# KiCad board HPM6E00FULLPORTRevB.kicad_pcb (continued)
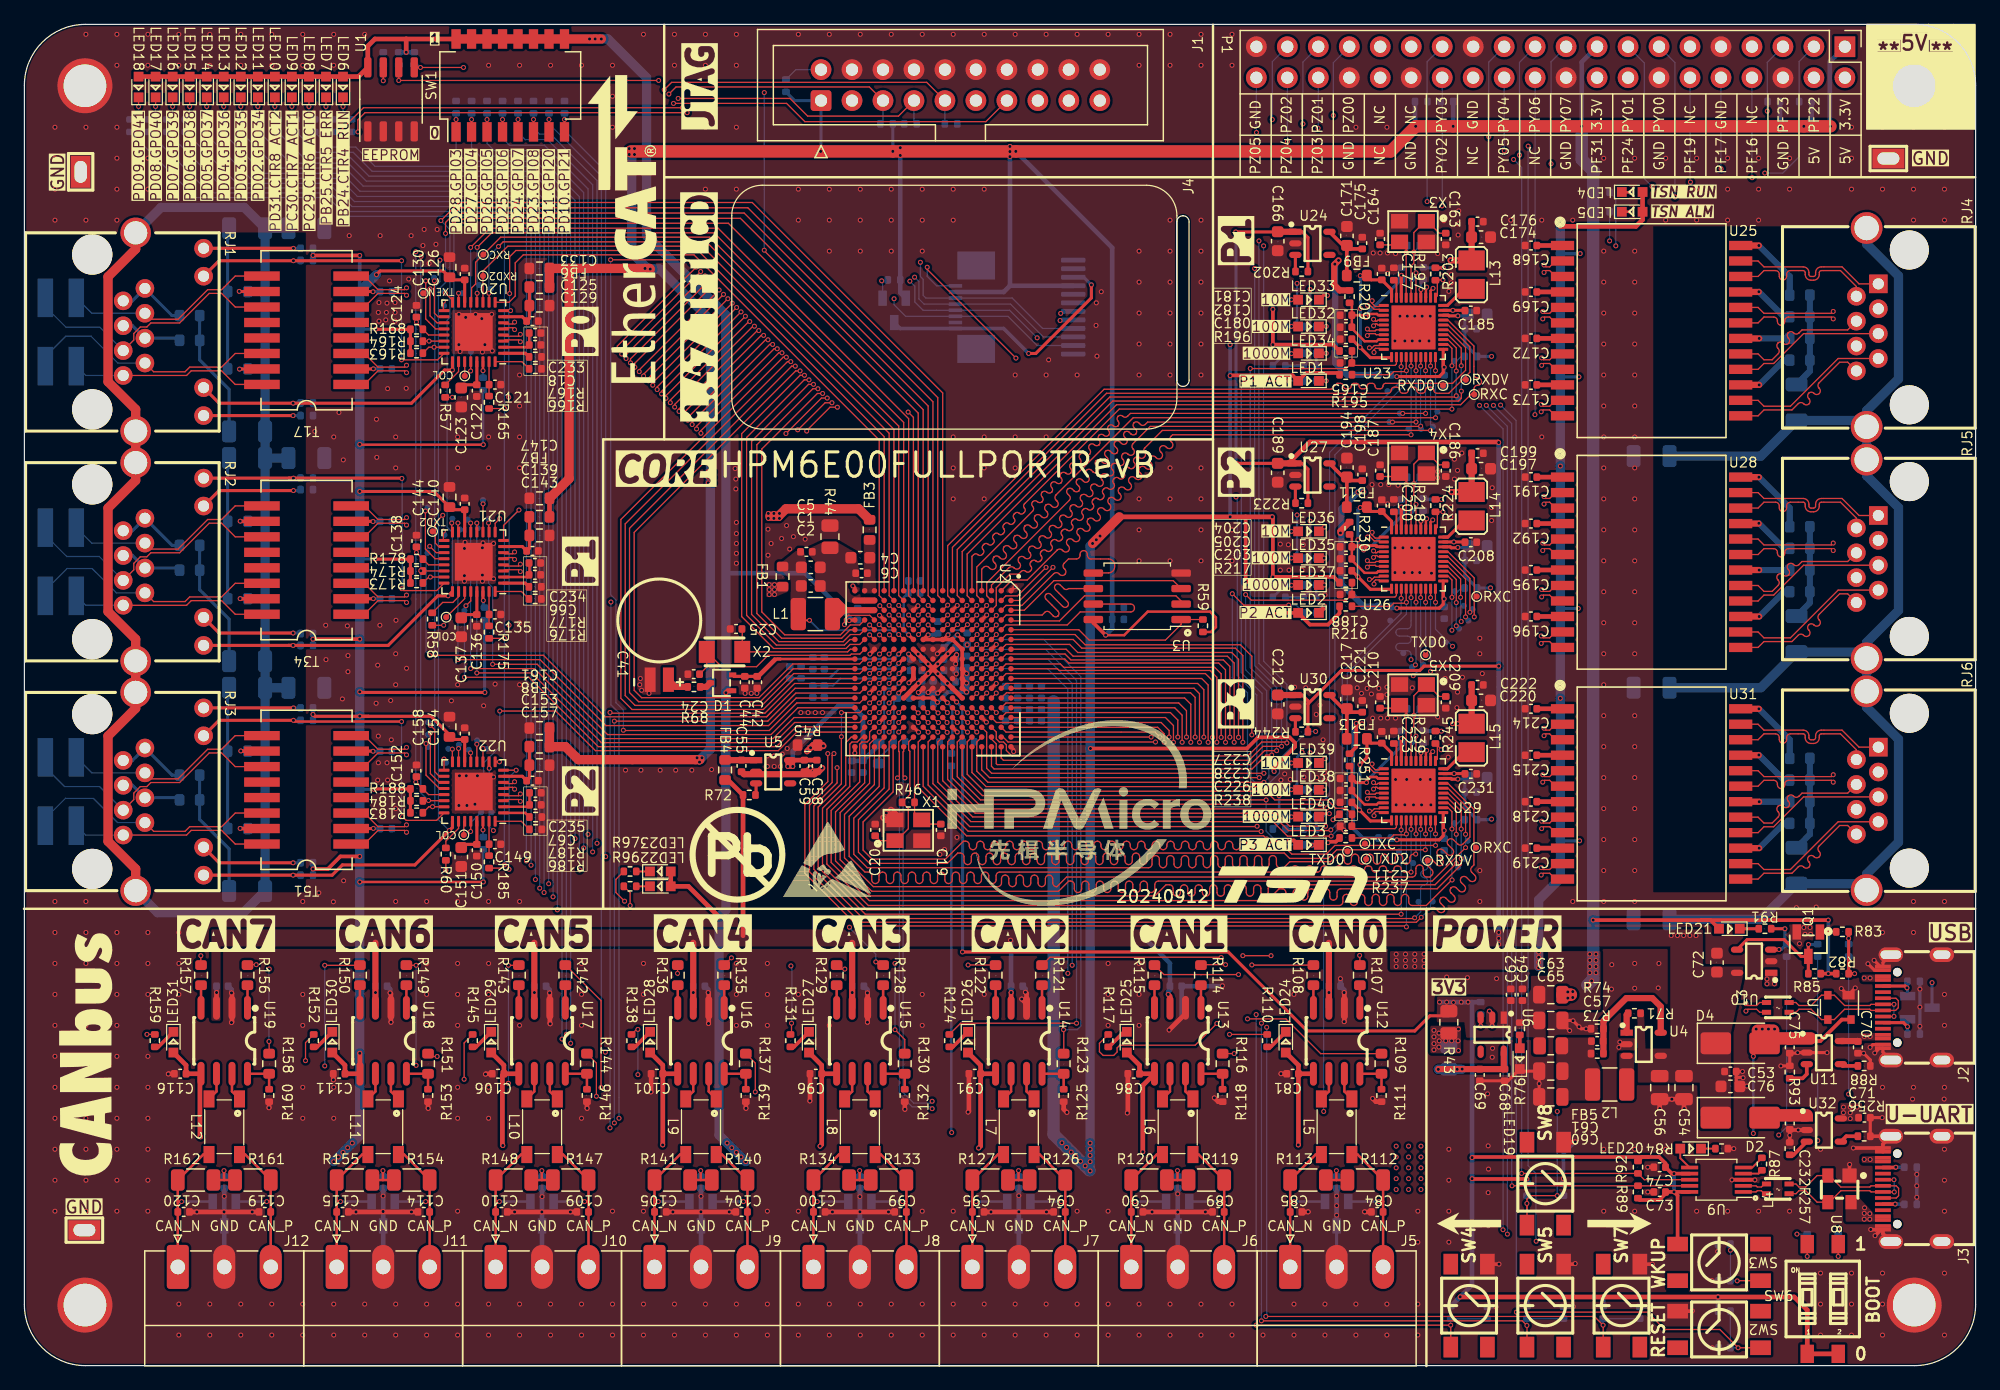
[diagram p0: board, top side]
## Routing (per net, layer and track width the routed paths; a pad name or vN(x,y) marks a point on that pad's centre or on a via; arc(x,y) is an arc through that point) (continued)
/HPM6E00 FULL PORT MAINENTRY/PF18: length 170.7
  Top w0.102: v1(48.02,53.57) 48.08,53.51 60.72,53.51 63.16,55.95 68.49,55.95 U2.T10
  POWER3 w0.102: v1(147.06,18.46) 143.68,18.46 142.64,19.5 v1(48.02,19.5)
  Bottom w0.102: v1(48.02,19.5) v1(48.02,53.57) ; v1(147.06,18.46) 147.05,18.47 R86.2
/HPM6E00 FULL PORT MAINENTRY/PF19: length 140.5
  Top w0.102: U2.T8 68.49,57.55 63.01,57.55 60.24,54.78 50.61,54.78 50,55.39 50,68.34 63.25,81.58 v1(63.6,81.58)
  POWER3 w0.102: v1(136.62,97.07) 92.98,97.07 77.49,81.58 63.61,81.58 v1(63.6,81.58)
  Bottom w0.102: v1(136.62,97.07) 136.58,97.1 P1.12
/HPM6E00 FULL PORT MAINENTRY/PF20: length 165.4
  Top w0.102: v1(48.38,52.86) 48.38,52.86 60.96,52.86 63.26,55.16 68.51,55.16 U2.T11
  POWER3 w0.102: v1(143.86,18.91) 142.86,19.9 v1(48.38,19.9)
  Bottom w0.102: v1(48.38,19.9) v1(48.38,52.86) ; v1(143.86,18.91) 144.51,19.56 R90.2
/HPM6E00 FULL PORT MAINENTRY/PF21: length 183.2
  Top w0.102: U2.N11 v1(70.91,55.16)
  POWER3 w0.102: v1(48.76,20.28) 147.6,20.28 v1(149.59,22.27) ; v1(48.1,62.63) 56.76,53.96 69.51,53.96 69.69,54.14 69.69,54.45 69.71,54.47 69.71,54.47 70,54.75 70.5,54.75 v1(70.91,55.16)
  Bottom w0.102: v1(48.1,62.63) 48.1,54.19 48.76,53.53 v1(48.76,20.28) ; v1(149.59,22.27) R81.1
/HPM6E00 FULL PORT MAINENTRY/PF22: length 153.6
  Top w0.102: v1(62.84,82.34) 62.57,82.34 49.27,69.03 49.27,54.96 50.08,54.14 60.47,54.14 63.08,56.76 68.51,56.76 U2.T9
  POWER3 w0.102: v1(62.84,82.34) 62.86,82.33 77.07,82.33 92.55,97.81 v1(142.71,97.81)
  Bottom w0.102: v1(142.71,97.81) 144.19,97.81 145.53,99.15 145.53,106.96 P1.3
/HPM6E00 FULL PORT MAINENTRY/PF23: length 145.6
  Top w0.102: U2.R8 69.7,57.94 v1(69.31,57.55) ; v1(57.33,87.86) 50.78,81.31 v1(50.78,81.16)
  POWER3 w0.102: v1(142.92,102.89) 89.75,102.89 74.73,87.86 v1(57.33,87.86) ; v1(50.78,81.16) 50.76,81.15 50.76,64.61 57.83,57.55 v1(69.31,57.55)
  Bottom w0.102: P1.5 142.92,106.88 v1(142.92,102.89)
/HPM6E00 FULL PORT MAINENTRY/PF24: length 131.7
  Top w0.102: U2.P9 70.49,57.15 v1(70.09,56.76) ; v1(50.42,81.52) 50.42,81.67 v1(56.97,88.22)
  POWER3 w0.102: v1(70.09,56.76) 69.81,56.76 69.45,57.11 57.67,57.11 50.41,64.38 50.41,81.51 v1(50.42,81.52) ; v1(56.97,88.22) 74.53,88.22 88.36,102.05 88.48,102.05 89.78,103.34 129.21,103.34 P1.16
/HPM6E00 FULL PORT MAINENTRY/PF25: length 68.2
  Top w0.102: v1(49.7,82.24) 49.7,82.56 56.14,89.01 v1(56.17,89.01) ; U2.P10 v1(70.09,55.95)
  POWER3 w0.102: v1(70.09,55.95) 69.69,56.35 57.27,56.35 49.67,63.95 49.67,82.22 v1(49.7,82.24) ; v1(56.17,89.01) 56.18,89.02 70.25,89.02 v1(70.3,88.97)
  Bottom w0.102: R102.1 70.73,88.97 v1(70.3,88.97) 70.37,88.89 Q2.1
/HPM6E00 FULL PORT MAINENTRY/PF26: length 101.7
  Top w0.102: v1(54.71,90.47) 54.49,90.69 v1(48.07,90.69) ; v1(49.11,52.11) 49.14,52.09 61.08,52.09 63.34,54.35 68.49,54.35 U2.T12
  POWER3 w0.102: v1(73.47,90.49) 54.73,90.49 v1(54.71,90.47)
  Bottom w0.102: v1(49.11,52.11) 49.11,52.11 49.11,53.76 48.5,54.37 48.5,62.79 48.07,63.22 v1(48.07,90.69) ; v1(73.47,90.49) 73.47,89.32 73.7,89.09 73.7,87.77 73.92,87.56 81,87.56 83.5,85.06 J4.B9
/HPM6E00 FULL PORT MAINENTRY/PF27: length 94.2
  Top w0.102: v1(70.09,55.16) 70.49,55.55 U2.P11 ; v1(81.31,82.63) 74.03,89.91 v1(74.03,90.08) ; v1(48.62,83.32) 48.62,83.62 v1(55.09,90.09)
  POWER3 w0.102: v1(48.62,83.32) 48.61,83.3 48.61,63.26 57.11,54.75 69.69,54.75 v1(70.09,55.16) ; v1(74.03,90.08) 73.98,90.13 55.13,90.13 v1(55.09,90.09) ; v1(81.31,82.63) 82.46,83.78 83.1,83.78 84.93,85.61 v1(84.93,85.71)
  Bottom w0.102: J4.B8 84.98,85.76 v1(84.93,85.71) ; J4.A8 74.81,88.56 74.03,89.33 v1(74.03,90.08)
/HPM6E00 FULL PORT MAINENTRY/PF28: length 86.1
  Top w0.102: v1(55.82,89.37) 55.79,89.37 49.34,82.92 v1(49.34,82.6) ; U2.R10 69.69,56.35 v1(69.31,55.97)
  POWER3 w0.102: v1(83.05,84.29) 83.05,84.37 v1(84.98,86.3) ; v1(72.61,88.94) 72.18,89.37 55.82,89.37 v1(55.82,89.37) ; v1(69.31,55.97) 57.09,55.97 49.32,63.74 49.32,82.58 v1(49.34,82.6)
  Bottom w0.102: v1(84.98,86.3) 85.14,86.46 J4.B7 ; v1(72.61,88.94) 73.01,88.53 73.01,87.24 73.7,86.56 80.78,86.56 v1(83.05,84.29)
/HPM6E00 FULL PORT MAINENTRY/PF29: length 88.5
  Top w0.102: v1(70.91,55.95) 70.91,55.96 U2.N10 ; v1(48.98,82.96) 48.98,83.25 v1(55.46,89.73)
  POWER3 w0.102: v1(48.98,82.96) 48.96,82.94 48.96,63.49 56.91,55.54 70.5,55.54 v1(70.91,55.95) ; v1(55.46,89.73) 55.46,89.73 72.54,89.73 v1(73,89.27)
  Bottom w0.102: v1(73,89.27) 73.35,88.92 73.35,87.49 73.78,87.06 80.87,87.06 83.56,84.36 J4.B10
/HPM6E00 FULL PORT MAINENTRY/PF30: length 79.4
  Top w0.102: v1(51.17,80.77) 51.17,80.98 v1(57.69,87.5) ; U2.N9 70.91,56.76 v1(70.91,56.73)
  POWER3 w0.102: v1(70.91,56.73) 70.45,57.19 69.94,57.19 69.66,57.47 69.66,57.69 69.43,57.93 58.05,57.93 51.15,64.84 51.15,80.75 v1(51.17,80.77) ; v1(57.69,87.5) v1(71.31,87.5)
  Bottom w0.102: v1(71.31,87.5) 71.31,87.01 72.27,86.06 80.65,86.06 83.04,83.66 J4.B11
/HPM6E00 FULL PORT MAINENTRY/PF31: length 129.6
  Top w0.102: U2.R9 v1(69.31,56.76) ; v1(56.56,88.63) 56.47,88.63 50.06,82.21 v1(50.06,81.88)
  POWER3 w0.102: P1.18 127.56,104.23 90.24,104.23 88.36,102.35 88.13,102.35 74.36,88.59 70.18,88.59 70.1,88.66 56.59,88.66 v1(56.56,88.63) ; v1(69.31,56.76) 57.44,56.76 50.05,64.15 50.05,81.88 v1(50.06,81.88)
/HPM6E00 FULL PORT MAINENTRY/PY0: length 121.8
  Top w0.102: v1(64.34,80.85) 63.95,80.85 59.22,76.12 59.22,61.53 61.66,59.1 67.24,59.1 67.7,59.55 U2.U6
  POWER3 w0.102: v1(64.34,80.85) 64.35,80.84 77.87,80.84 92.88,95.85 v1(135.35,95.85)
  Bottom w0.102: P1.13 135.35,106.86 v1(135.35,95.85)
/HPM6E00 FULL PORT MAINENTRY/PY1: length 121.8
  Top w0.102: U2.T6 68.49,59.15 67.71,59.15 67.38,58.82 61.43,58.82 58.82,61.43 58.82,76.43 63.61,81.22 v1(63.96,81.22)
  POWER3 w0.102: v1(133.47,96.71) 93.18,96.71 77.67,81.2 63.98,81.2 v1(63.96,81.22)
  Bottom w0.102: P1.15 132.83,106.84 132.83,97.35 v1(133.47,96.71)
/HPM6E00 FULL PORT MAINENTRY/PY2: length 97.8
  Top w0.102: v1(65.07,80.12) 64.65,80.12 60.06,75.52 60.06,61.69 62.09,59.65 67.01,59.65 67.71,60.35 U2.U5
  POWER3 w0.102: v1(116.25,95.11) 93.28,95.11 78.3,80.13 65.08,80.13 v1(65.07,80.12)
  Bottom w0.102: P1.28 116.26,95.13 v1(116.25,95.11)
/HPM6E00 FULL PORT MAINENTRY/PY3: length 101.6
  Top w0.102: v1(64.71,80.48) 64.3,80.48 59.63,75.81 59.63,61.61 61.86,59.38 67.15,59.38 67.73,59.96 68.51,59.96 U2.T5
  POWER3 w0.102: v1(64.71,80.48) 64.71,80.48 78.09,80.48 93.1,95.48 115.01,95.48 v1(115.03,95.47)
  Bottom w0.102: v1(115.03,95.47) 115.03,106.93 P1.27
/HPM6E00 FULL PORT MAINENTRY/PY4: length 115.6
  Top w0.102: v1(59.86,85.25) 59.74,85.25 53.32,78.83 v1(53.32,78.62) ; v1(69.31,59.93) 69.69,59.55 U2.R6
  POWER3 w0.102: v1(59.86,85.25) 59.87,85.26 75.55,85.26 91.07,100.78 v1(120.08,100.78) ; v1(53.32,78.62) 53.3,78.6 53.3,66.08 59.45,59.93 v1(69.31,59.93)
  Bottom w0.102: P1.23 120.08,106.91 v1(120.08,100.78)
/HPM6E00 FULL PORT MAINENTRY/PY5: length 110.9
  Top w0.102: U2.R5 v1(69.31,60.75) ; v1(60.98,84.13) 60.78,84.13 54.4,77.75 v1(54.4,77.54)
  POWER3 w0.102: v1(69.31,60.75) 68.52,61.53 59.68,61.53 54.4,66.82 54.4,77.54 v1(54.4,77.54) ; v1(121.35,99.63) 91.66,99.63 76.16,84.14 60.98,84.14 v1(60.98,84.13)
  Bottom w0.102: P1.24 121.34,99.64 v1(121.35,99.63)
/HPM6E00 FULL PORT MAINENTRY/PY6: length 115.1
  Top w0.102: v1(70.09,60.77) 70.5,60.37 U2.P5 ; v1(54.76,77.18) 54.76,77.4 61.12,83.75 v1(61.36,83.75)
  POWER3 w0.102: v1(54.76,77.18) 54.75,77.17 54.75,67.15 60.01,61.89 68.77,61.89 69.89,60.77 v1(70.09,60.77) ; v1(61.36,83.75) 61.39,83.78 76.37,83.78 91.86,99.28 v1(122.6,99.28)
  Bottom w0.102: v1(122.6,99.28) 122.6,106.88 P1.21
/HPM6E00 FULL PORT MAINENTRY/PY7: length 117
  Top w0.102: U2.N5 v1(70.91,60.75) ; v1(55.48,76.46) 55.48,76.68 61.86,83.06 v1(62.12,83.06)
  POWER3 w0.102: v1(62.12,83.06) 62.12,83.06 76.74,83.06 92.24,98.57 v1(125.19,98.57) ; v1(70.91,60.75) 70.68,60.98 70.68,61.23 70.5,61.41 70.5,61.71 70.25,61.97 69.94,61.97 69.31,62.6 60.72,62.6 55.46,67.86 55.46,76.45 v1(55.48,76.46)
  Bottom w0.102: P1.19 125.19,106.93 v1(125.19,98.57)
/HPM6E00 FULL PORT MAINENTRY/PZ0: length 109.6
  Top w0.102: v1(51.53,80.41) 51.53,80.62 v1(58.05,87.14) ; U2.P8 v1(70.09,57.55)
  POWER3 w0.102: v1(51.53,80.41) 51.5,80.38 51.5,65.06 58.28,58.28 68.54,58.28 68.98,58.71 69.48,58.71 69.74,58.46 69.74,58.16 70.09,57.8 v1(70.09,57.55) ; v1(107.33,102.53) 107.31,102.55 89.88,102.55 74.47,87.14 v1(58.05,87.14)
  Bottom w0.102: P1.33 107.33,106.86 v1(107.33,102.53)
/HPM6E00 FULL PORT MAINENTRY/PZ1: length 106
  Top w0.102: v1(58.76,86.42) 52.25,79.91 v1(52.25,79.69) ; v1(70.91,57.55) 71.3,57.94 U2.N8
  POWER3 w0.102: v1(70.91,57.55) 70.53,57.93 70.53,58.46 69.86,59.12 68.49,59.12 68.34,58.97 58.64,58.97 52.21,65.39 52.21,79.66 v1(52.25,79.69) ; v1(58.76,86.42) 74.92,86.42 90.34,101.84 v1(104.84,101.84)
  Bottom w0.102: v1(104.84,101.84) 104.84,106.91 P1.35
/HPM6E00 FULL PORT MAINENTRY/PZ2: length 103
  Top w0.102: U2.P7 70.5,58.74 v1(70.12,58.36) ; v1(51.89,80.05) 51.89,80.26 v1(58.4,86.78)
  POWER3 w0.102: v1(51.89,80.05) 51.88,80.05 51.88,65.24 58.51,58.61 68.42,58.61 68.72,58.92 69.61,58.92 70.12,58.41 v1(70.12,58.36) ; v1(58.4,86.78) 74.69,86.78 90.11,102.2 102.32,102.2 v1(102.33,102.2)
  Bottom w0.102: v1(102.33,102.2) 102.33,106.93 P1.37
/HPM6E00 FULL PORT MAINENTRY/PZ3: length 102.8
  Top w0.102: U2.N7 v1(70.91,58.36) ; v1(52.6,79.33) 52.6,79.55 v1(59.12,86.06)
  POWER3 w0.102: v1(106.09,101.49) 106.09,101.49 90.58,101.49 75.16,86.06 v1(59.12,86.06) ; v1(70.91,58.36) 70.91,58.66 70.25,59.32 69.43,59.32 ; v1(52.6,79.33) 52.59,79.32 52.59,65.6 58.87,59.32 69.51,59.32
  Bottom w0.102: v1(106.09,101.49) 106.1,101.5 P1.36
/HPM6E00 FULL PORT MAINENTRY/PZ4: length 96
  Top w0.102: U2.P6 v1(70.12,59.93) ; v1(60.22,84.89) 60.1,84.89 53.68,78.47 v1(53.68,78.26)
  POWER3 w0.102: v1(70.12,59.93) 69.71,60.34 59.63,60.34 53.66,66.31 53.66,78.24 v1(53.68,78.26) ; v1(103.57,100.4) 91.26,100.4 75.77,84.9 60.24,84.9 v1(60.22,84.89)
  Bottom w0.102: v1(103.57,100.4) 103.56,100.41 P1.38
/HPM6E00 FULL PORT MAINENTRY/PZ5: length 96.3
  Top w0.102: v1(70.93,59.93) 71.3,59.57 U2.N6 ; v1(59.48,85.63) 59.41,85.63 52.96,79.19 v1(52.96,78.97)
  POWER3 w0.102: v1(59.48,85.63) 59.51,85.66 75.35,85.66 90.82,101.13 v1(101.03,101.13) ; v1(52.96,78.97) 52.95,78.96 52.95,65.85 59.22,59.58 70.58,59.58 v1(70.93,59.93)
  Bottom w0.102: P1.40 101.02,101.14 v1(101.03,101.13)
/HPM6E00 FULL PORT MAINENTRY/USB0_N: length 103.3
  Top w0.102: U2.M17 72.1,50.38 72.05,50.33 72.05,48.35 v1(72.2,48.2) ; v1(141.17,29.69) 141.32,29.53 142.05,29.53 142.29,29.78 L3.3
  POWER3 w0.102: v1(141.17,29.69) 141.02,29.53 140.29,29.53 132.29,21.53 74.59,21.53 v1(74.44,21.68)
  Bottom w0.102: v1(72.2,48.2) 72.05,48.05 72.05,22.4 72.93,21.53 74.28,21.53 v1(74.44,21.68)
/HPM6E00 FULL PORT MAINENTRY/USB0_P: length 104.8
  Top w0.102: L3.2 142.29,28.98 142.05,29.23 141.32,29.23 v1(141.17,29.08) ; v1(71.59,48.2) 71.74,48.35 71.74,50.33 71.69,50.38 71.69,51.15 U2.M16
  POWER3 w0.102: v1(74.44,21.07) 74.59,21.22 132.41,21.22 140.42,29.23 141.02,29.23 v1(141.17,29.08)
  Bottom w0.102: v1(74.44,21.07) 74.28,21.22 72.8,21.22 71.74,22.28 71.74,48.05 v1(71.59,48.2)
DCDC_GND: length 1.6
  Top w0.508: U2.R2 U2.U2
DCDC_LP: length 5
  Top w0.508: 66.73,61.48 67.22,61.97 67.38,61.97 ; U2.R3 66.58,61.95 ; 67.38,61.97 66.63,62.71 ; 67.38,61.97 67.38,61.95
DCDC_SNS: length 9.5
  Top w0.102: U2.M6 v1(71.69,59.96)
  Top w0.152: L1.1 63.97,61.13 v1(64.38,61.13)
  Bottom w0.152: v1(64.38,61.13) 65.19,60.31 71.34,60.31 v1(71.69,59.96)
VANA: length 6.6
  Top w0.254: v1(71.69,55.16) 72.09,55.55 U2.M11
  Bottom w0.152: C7.1 71.29,54.42 71.29,51.19 C3.1 71.27,51 70.04,49.77 FB2.1
Net-(C41-Pad1): length 1.8
  Top w0.508: R68.1 53.4,55.67 C41.1
Net-(C83-Pad1): length 3
  Top w0.203: 107.58,15.22 R112.1 ; 107.58,15.22 v1(107.58,15.99) ; 107.58,15.22 R113.2
  Bottom w0.203: v1(107.58,15.99) 107.6,15.97 C83.1
Net-(C88-Pad1): length 3
  Top w0.203: v1(94.55,15.99) 94.55,15.22 ; 94.55,15.22 R120.2 ; 94.55,15.22 R119.1
  Bottom w0.203: C88.1 94.57,15.97 v1(94.55,15.99)
Net-(C93-Pad1): length 3
  Top w0.203: R127.2 81.52,15.22 ; 81.52,15.22 R126.1 ; 81.52,15.22 v1(81.52,15.99)
  Bottom w0.203: v1(81.52,15.99) 81.54,15.97 C93.1
Net-(C98-Pad1): length 3
  Top w0.203: R134.2 68.49,15.22 ; 68.49,15.22 R133.1 ; 68.49,15.22 v1(68.49,15.99)
  Bottom w0.203: v1(68.49,15.99) 68.51,15.97 C98.1
Net-(C103-Pad1): length 3
  Top w0.203: R141.2 55.46,15.22 ; 55.46,15.22 R140.1 ; 55.46,15.22 v1(55.46,15.99)
  Bottom w0.203: v1(55.46,15.99) 55.48,15.97 C103.1
Net-(C108-Pad1): length 3
  Top w0.203: 42.43,15.22 R147.1 ; 42.43,15.22 v1(42.43,15.99) ; 42.43,15.22 R148.2
  Bottom w0.203: v1(42.43,15.99) 42.45,15.97 C108.1
Net-(C113-Pad1): length 3
  Top w0.203: R155.2 29.4,15.22 ; 29.4,15.22 R154.1 ; 29.4,15.22 v1(29.4,15.99)
  Bottom w0.203: C113.1 29.42,15.97 v1(29.4,15.99)
Net-(C118-Pad1): length 3
  Top w0.203: 16.37,15.22 R161.1 ; 16.37,15.22 v1(16.37,15.99) ; 16.37,15.22 R162.2
  Bottom w0.203: v1(16.37,15.99) 16.39,15.97 C118.1
Net-(C127-Pad2): length 2.4
  Top w0.254: T17.2 28.6,81.74 v1(28.62,81.75)
  Bottom w0.254: C127.2 29.16,81.75 v1(28.62,81.75)
Net-(C128-Pad1): length 2.4
  Top w0.254: T17.7 28.58,88.09 v1(28.59,88.08)
  Bottom w0.254: C128.1 29.16,88.08 v1(28.59,88.08)
Net-(C131-Pad1): length 11.6
  Bottom w0.254: R170.1 16.67,93.17 C131.1
Net-(C132-Pad1): length 10.5
  Bottom w0.254: C132.1 16.79,80.07 14.37,82.48 R172.1
Net-(C141-Pad2): length 2.4
  Top w0.254: T34.2 28.6,62.89 v1(28.62,62.9)
  Bottom w0.254: v1(28.62,62.9) 29.16,62.9 C141.2
Net-(C142-Pad1): length 2.4
  Top w0.254: T34.7 28.58,69.24 v1(28.59,69.23)
  Bottom w0.254: v1(28.59,69.23) 29.16,69.23 C142.1
Net-(C145-Pad1): length 11.6
  Bottom w0.254: C145.1 16.67,74.32 R180.1
Net-(C146-Pad1): length 10.5
  Bottom w0.254: R182.1 14.37,63.63 16.79,61.22 C146.1
Net-(C155-Pad2): length 2.4
  Top w0.254: v1(28.62,44.06) 28.6,44.05 T51.2
  Bottom w0.254: v1(28.62,44.06) 29.16,44.06 C155.2
Net-(C156-Pad1): length 2.4
  Top w0.254: T51.7 28.58,50.4 v1(28.59,50.38)
  Bottom w0.254: v1(28.59,50.38) 29.16,50.38 C156.1
Net-(C159-Pad1): length 11.6
  Bottom w0.254: R190.1 16.67,55.48 C159.1
Net-(C160-Pad1): length 10.5
  Bottom w0.254: R192.1 14.37,44.79 16.79,42.38 C160.1
Net-(C183-Pad1): length 7.8
  Bottom w0.508: C183.1 146.41,81.56 R213.1
Net-(C206-Pad1): length 7.8
  Bottom w0.508: C206.1 146.41,62.57 R234.1
Net-(C229-Pad1): length 7.8
  Bottom w0.508: C229.1 146.41,43.57 R255.1
Net-(D1-Pad3): length 1
  Top w0.508: R68.2 55.93,55.67 D1.3
Net-(D2-A): length 3.4
  Top w1.016: 146.16,20.53 142.76,20.53
Net-(D3-K): length 13.4
  Top w0.254: R83.2 v1(149.59,35.04) R82.1 149.59,32.15 v1(150.08,32.15)
  POWER3 w0.254: v1(156.43,31.41) 153.15,31.41 152.11,32.45 150.38,32.45 v1(150.08,32.15)
  Bottom w0.254: D3.3 v1(156.43,31.41) ; R81.2 149.59,35.04 v1(149.59,35.04)
Net-(J1-VCC/NC): length 3.2
  Bottom w0.102: R51.1 63.26,106.29 J1.2
Net-(J2-CC1): length 3.4
  Top w0.254: J2.A5 154.08,28.13 v1(154.41,27.8)
  Bottom w0.254: D3.1 154.41,28.39 v1(154.41,27.8) R79.2
Net-(J2-CC2): length 3.3
  Top w0.254: J2.B5 154.22,31.13 v1(154.37,30.98)
  Bottom w0.254: R77.2 154.41,30.32 D3.2
Net-(J3-CC1): length 1.8
  Top w0.3: v1(153.41,13.25) 153.4,13.25 J3.A5
  Bottom w0.3: v1(153.41,13.25) 154.13,13.25 R80.2
Net-(J3-CC2): length 1.8
  Top w0.3: J3.B5 153.43,16.25 v1(153.46,16.27)
  Bottom w0.3: R78.2 154.15,16.27 v1(153.46,16.27)
Net-(LED1-K): length 1.4
  Top w0.203: v1(106.75,80.76) LED1.1
  Bottom w0.203: R13.2 v1(106.75,80.76)
Net-(LED2-K): length 1.6
  Top w0.381: LED2.1 106.59,62.18 v1(106.59,62.3)
  Bottom w0.381: R14.2 106.03,61.74 v1(106.59,62.3)
Net-(LED3-K): length 0.9
  Top w0.3: v1(105.58,42.69) 106.12,42.69 LED3.1
  Bottom w0.3: R15.2 105.6,42.71 v1(105.58,42.69)
Net-(LED4-K): length 1.4
  Top w0.203: LED4.1 131.01,96.23 v1(131.71,96.23)
  Bottom w0.203: R16.2 v1(131.71,96.23)
Net-(LED5-K): length 1.4
  Top w0.203: v1(131.71,94.63) LED5.1
  Bottom w0.203: R17.2 v1(131.71,94.63)
Net-(LED6-K): length 2.1
  Top w0.102: LED6.1 v1(26.13,103.27)
  Bottom w0.102: v1(26.13,103.27) 26.13,102.9 R26.2
Net-(LED7-K): length 2.1
  Top w0.102: LED7.1 v1(24.73,103.27)
  Bottom w0.102: R27.2 24.73,102.78 v1(24.73,103.27)
Net-(LED8-K): length 2
  Top w0.102: LED8.1 v1(23.33,103.27)
  Bottom w0.102: v1(23.33,103.27) 23.33,102.67 R28.2
Net-(LED9-K): length 2
  Top w0.102: LED9.1 v1(21.94,103.27)
  Bottom w0.102: R29.2 21.94,102.55 v1(21.94,103.27)
Net-(LED10-K): length 1.9
  Top w0.102: LED10.1 v1(20.54,103.27)
  Bottom w0.102: R30.2 20.54,102.43 v1(20.54,103.27)
Net-(LED11-K): length 1.9
  Top w0.102: LED11.1 v1(19.14,103.27)
  Bottom w0.102: R31.2 19.14,102.32 v1(19.14,103.27)
Net-(LED12-K): length 1.8
  Top w0.102: LED12.1 v1(17.74,103.27)
  Bottom w0.102: R32.2 v1(17.74,103.27)
Net-(LED13-K): length 1.9
  Top w0.102: LED13.1 v1(16.35,103.27)
  Bottom w0.102: v1(16.35,103.27) 16.35,102.32 R33.2
Net-(LED14-K): length 1.9
  Top w0.102: LED14.1 v1(14.95,103.27)
  Bottom w0.102: R34.2 14.95,102.43 v1(14.95,103.27)
Net-(LED15-K): length 2
  Top w0.102: LED15.1 v1(13.55,103.27)
  Bottom w0.102: R35.2 13.55,102.55 v1(13.55,103.27)
Net-(LED16-K): length 2
  Top w0.102: LED16.1 v1(12.16,103.27)
  Bottom w0.102: v1(12.16,103.27) 12.16,102.67 R36.2
Net-(LED17-K): length 2.1
  Top w0.102: LED17.1 v1(10.76,103.27)
  Bottom w0.102: R37.2 10.76,102.78 v1(10.76,103.27)
Net-(LED18-K): length 2.1
  Top w0.102: LED18.1 v1(9.36,103.27)
  Bottom w0.102: v1(9.36,103.27) 9.36,102.9 R38.2
Net-(LED19-A): length 1.1
  Top w0.3: R76.1 LED19.2
Net-(LED20-A): length 1.9
  Top w0.152: U9.6 135.78,17.01 LED20.2
Net-(LED20-K): length 1.2
  Top w0.152: R84.2 LED20.1
Net-(LED21-K): length 1.6
  Top w0.254: LED21.1 R91.2
Net-(LED22-K): length 1.1
  Top w0.152: R96.2 LED22.1
Net-(LED23-K): length 1.1
  Top w0.152: R97.2 LED23.1
Net-(LED24-K): length 2
  Top w0.3: R110.2 102.2,26.14 LED24.1
Net-(LED25-K): length 2
  Top w0.3: R117.2 88.93,26.14 90.17,27.38 LED25.1
Net-(LED26-K): length 2
  Top w0.3: LED26.1 76.14,26.14 R124.2
Net-(LED27-K): length 2
  Top w0.3: R131.2 63.11,26.14 LED27.1
Net-(LED28-K): length 2
  Top w0.3: LED28.1 50.07,26.14 R138.2
Net-(LED29-K): length 2
  Top w0.3: R145.2 37.04,26.14 LED29.1
Net-(LED30-K): length 2
  Top w0.3: R152.2 24.01,26.14 LED30.1
Net-(LED31-K): length 2
  Top w0.3: R159.2 10.98,26.14 LED31.1
Net-(LED32-K): length 1.4
  Top w0.203: LED32.1 106.16,85.23 v1(106.75,85.23)
  Bottom w0.203: v1(106.75,85.23) 106.73,85.22 R205.1
Net-(LED33-A): length 1.1
  Top w0.203: LED33.2 103.9,87.42 v1(103.9,87.42)
  Bottom w0.203: v1(103.9,87.42) 103.4,87.42 R204.1
Net-(LED34-A): length 2.5
  Top w0.203: LED34.2 103.92,83.02 v1(103.9,83)
  Bottom w0.203: R198.2 103.39,83.02 R199.2 103.42,83 v1(103.9,83)
Net-(LED34-K): length 2.4
  Top w0.203: v1(106.75,83.02) 106.15,83.02 LED34.1
  Bottom w0.203: R207.1 R206.1 106.74,83.03 v1(106.75,83.02)
Net-(LED35-K): length 1.1
  Top w0.203: v1(106.59,66.22) LED35.1
  Bottom w0.203: v1(106.59,66.22) R226.1
Net-(LED36-A): length 1.1
  Top w0.203: v1(103.9,68.42) 103.9,68.42 LED36.2
  Bottom w0.203: v1(103.9,68.42) 103.4,68.42 R225.1
Net-(LED37-A): length 2.5
  Top w0.203: LED37.2 103.92,64.02 v1(103.9,64)
  Bottom w0.203: v1(103.9,64) 103.42,64 R220.2 103.39,64.02 R219.2
Net-(LED37-K): length 2.2
  Top w0.203: LED37.1 106.16,64.03 v1(106.62,64.03)
  Bottom w0.203: v1(106.62,64.03) R227.1 R228.1
Net-(LED38-K): length 1.1
  Top w0.203: v1(106.59,47.22) LED38.1
  Bottom w0.203: v1(106.59,47.22) R247.1
Net-(LED39-A): length 1.1
  Top w0.203: LED39.2 103.9,49.42 v1(103.9,49.42)
  Bottom w0.203: v1(103.9,49.42) 103.4,49.42 R246.1
Net-(LED40-A): length 2.5
  Top w0.203: LED40.2 103.92,45.02 v1(103.9,45)
  Bottom w0.203: R240.2 103.39,45.02 R241.2 103.42,45 v1(103.9,45)
Net-(LED40-K): length 3.1
  Top w0.203: v1(107,45.27) 106.4,45.27 LED40.1
  Bottom w0.203: v1(107,45.27) 106.74,45.27 106.5,45.03 R248.1 R249.1
Net-(Q1-D): length 9.9
  Top w0.254: Q1.3 146.28,34.52 v1(146.29,34.53) ; Q1.3 145.68,33.56 144.3,34.94 141.27,34.94 U10.4 ; Q1.3 146.28,33.56 R85.1
  Bottom w0.254: R86.1 147.02,34.53 v1(146.29,34.53)
Net-(Q1-G): length 1.3
  Top w0.254: R83.1 148.55,35.56 Q1.1
Net-(Q2-D): length 21.9
  Top w0.254: v1(82.35,83.01) 82.93,83.01 87.49,87.57 v1(87.49,88.64)
  Bottom w0.254: J4.B3 86.87,89.26 v1(87.49,88.64)
  Bottom w0.3: Q2.3 71.81,85.06 80.3,85.06 v1(82.35,83.01)
Net-(R169-Pad2): length 2.6
  Top w0.254: T17.10 17.63,88.09 v1(17.62,88.1)
  Bottom w0.254: v1(17.62,88.1) 18.31,88.1 R169.2
Net-(R170-Pad2): length 2.5
  Top w0.254: T17.15 17.66,81.74 v1(17.64,81.73)
  Bottom w0.254: v1(17.64,81.73) 18.31,81.73 R170.2
Net-(R171-Pad2): length 5.1
  Bottom w0.254: R171.2 12.55,84.27 RJ1.4 8.86,85.29 RJ1.5
Net-(R172-Pad2): length 6
  Bottom w0.254: RJ1.7 8.86,87.33 RJ1.8 12.11,86.12 R172.2
Net-(R179-Pad2): length 2.4
  Top w0.3: v1(17.69,69.26) 17.71,69.24 T34.10
  Bottom w0.3: R179.2 18.31,69.26 v1(17.69,69.26)
Net-(R180-Pad2): length 2.4
  Top w0.3: T34.15 17.71,62.89 v1(17.69,62.91)
  Bottom w0.3: R180.2 18.31,62.91 v1(17.69,62.91)
Net-(R181-Pad2): length 5.1
  Bottom w0.254: R181.2 12.55,65.42 RJ2.4 8.86,66.44 RJ2.5
Net-(R182-Pad2): length 6
  Bottom w0.254: R182.2 12.11,67.27 RJ2.8 8.86,68.48 RJ2.7
Net-(R189-Pad2): length 2.3
  Top w0.3: v1(17.74,50.41) 17.76,50.4 T51.10
  Bottom w0.3: v1(17.74,50.41) 18.31,50.41 R189.2
Net-(R190-Pad2): length 2.4
  Top w0.3: v1(17.69,44.06) 17.7,44.05 T51.15
  Bottom w0.3: R190.2 18.31,44.06 v1(17.69,44.06)
Net-(R191-Pad2): length 5.1
  Bottom w0.254: R191.2 12.55,46.57 RJ3.4 8.86,47.59 RJ3.5
Net-(R192-Pad2): length 6
  Bottom w0.254: RJ3.7 8.86,49.63 RJ3.8 12.11,48.43 R192.2
Net-(SW6-PIN3): length 1.8
  Top w0.102: SW6.3 148.73,9.96 v1(148.73,8.96)
  Bottom w0.102: v1(148.73,8.96) 148.73,8.96 R99.1
Net-(SW6-PIN4): length 1.8
  Top w0.102: v1(146.19,8.96) 146.19,9.96 SW6.4
  Bottom w0.102: R98.1 146.19,8.96 v1(146.19,8.96)
Net-(U1-WP): length 2.4
  Top w0.102: v1(29.43,105.37) U1.7
  Bottom w0.102: R40.1 v1(29.43,105.37)
Net-(U2C-USB0_VBUS): length 4.9
  Top w0.254: U2.H12 v1(75.68,54.37)
  Bottom w0.203: v1(75.68,54.37) 76.09,53.96 76.09,50.28 R49.2
Net-(U2C-XTALI): length 8
  Top w0.102: C19.1 73.93,44.41 X1.3 72.99,45.35 R46.2 72.99,46.19 72.99,50.66 U2.L17
Net-(U2C-XTALO): length 11.5
  Top w0.102: U2.L16 72.51,51.16 72.51,50.49 72.61,50.38 72.61,46.83 R46.1 72.48,45.68 72.48,44.03 71.51,43.06 X1.1 70.16,43.06 C20.1
Net-(U2P-VDD_OTPCAP): length 10
  Top w0.254: v1(71.69,57.6) 72.05,57.95 U2.M8
  Bottom w0.152: 66.51,56.86 66.79,57.14 70.5,57.14
  Bottom w0.203: 66.51,56.86 66.03,56.38 C50.1 ; 70.5,57.14 71.24,57.14 v1(71.69,57.6)
Net-(U2P-VDD_PHY0CAP): length 7.8
  Top w0.254: 72.09,58.75 v1(71.69,58.36)
  Bottom w0.203: C48.1 64.78,57.95 71.29,57.95 v1(71.69,58.36)
Net-(U2P-VDD_PHY1CAP): length 5.3
  Top w0.254: U2.L6 72.89,59.55 v1(72.51,59.93)
  Bottom w0.203: C46.1 C45.1 72.1,62.99 72.1,60.34 v1(72.51,59.93)
Net-(U2P-VDD_PMCCAP): length 8
  Top w0.254: v1(71.72,56.76) 72.1,57.14 U2.M9
  Bottom w0.152: v1(71.72,56.76) 71.31,56.35 66.89,56.35 66.31,55.77 C51.1
Net-(U4-EN): length 1.6
  Top w0.508: U4.1 131.39,28.77 R71.2
Net-(U4-FB): length 10.6
  Top w0.508: U4.5 134.18,29.45 133.49,30.14 131.36,30.14 129.48,28.26 R74.2 R73.1
Net-(U5-EN): length 1
  Top w0.254: U5.3 60,46.85 R72.2
Net-(U5-IN): length 2.6
  Top w0.508: FB4.1 57.48,49.65 U5.1
Net-(U6-EN): length 1.6
  Top w0.203: v1(119.42,27.85) 119.41,27.86 U6.3
  Bottom w0.203: R75.2 119.42,28.78 v1(119.42,27.85)
Net-(U9-~{CTS}): length 1.9
  Top w0.152: U9.5 141.68,16.25 R87.2
Net-(U9-~{RTS}): length 1.6
  Top w0.152: U9.4 142.2,15.75 R87.1
Net-(U10-FLG): length 3.9
  Top w0.254: v1(143.88,34.13) 143.87,34.11 U10.3 ; v1(144.36,35.83) 144.36,35.83 R91.1
  Bottom w0.254: v1(144.36,35.83) 144.36,34.71 R90.1 144.07,34.13 v1(143.88,34.13)
Net-(U11-EN): length 1.5
  Top w0.3: U11.4 149.09,24.58 R88.2
Net-(U11-IADJ): length 2.4
  Top w0.3: R93.2 145.81,23.56 146.16,23.91 U11.3
Net-(U11-IN): length 1.4
  Top w0.508: U11.5 150.31,26.62 C70.1
  vias: v1(150.87,31.79) v1(150.87,26.99) v1(151.35,31.79) v1(151.35,26.99)
Net-(U12-CANH): length 2.3
  Top w0.203: U12.7 108.24,22.48 L5.1
Net-(U12-CANL): length 2.3
  Top w0.203: U12.6 106.97,22.48 L5.2
Net-(U12-RXD): length 1.9
  Top w0.203: U12.4 R108.2
Net-(U12-STB): length 3
  Top w0.203: U12.8 R109.2 R111.2
Net-(U12-TXD): length 1.9
  Top w0.203: U12.1 R107.2
Net-(U13-CANH): length 2.3
  Top w0.203: U13.7 95.21,22.48 L6.1
Net-(U13-CANL): length 2.3
  Top w0.203: L6.2 93.94,22.48 U13.6
Net-(U13-RXD): length 1.9
  Top w0.203: U13.4 R115.2
Net-(U13-STB): length 3
  Top w0.203: U13.8 R116.2 R118.2
Net-(U13-TXD): length 1.9
  Top w0.203: U13.1 R114.2
Net-(U14-CANH): length 2.3
  Top w0.203: L7.1 82.18,22.48 U14.7
Net-(U14-CANL): length 2.3
  Top w0.203: L7.2 80.91,22.48 U14.6
Net-(U14-RXD): length 1.9
  Top w0.203: U14.4 R122.2
Net-(U14-STB): length 3
  Top w0.203: U14.8 R123.2 R125.2
Net-(U14-TXD): length 1.9
  Top w0.203: U14.1 R121.2
Net-(U15-CANH): length 2.3
  Top w0.203: L8.1 69.15,22.48 U15.7
Net-(U15-CANL): length 2.3
  Top w0.203: L8.2 67.88,22.48 U15.6
Net-(U15-RXD): length 1.9
  Top w0.203: U15.4 R129.2
Net-(U15-STB): length 3
  Top w0.203: U15.8 R130.2 R132.2
Net-(U15-TXD): length 1.9
  Top w0.203: U15.1 R128.2
Net-(U16-CANH): length 2.3
  Top w0.203: U16.7 56.12,22.48 L9.1
Net-(U16-CANL): length 2.3
  Top w0.203: U16.6 54.85,22.48 L9.2
Net-(U16-RXD): length 1.9
  Top w0.203: U16.4 R136.2
Net-(U16-STB): length 3
  Top w0.203: U16.8 R137.2 R139.2
Net-(U16-TXD): length 1.9
  Top w0.203: U16.1 R135.2
Net-(U17-CANH): length 2.3
  Top w0.203: L10.1 43.09,22.48 U17.7
Net-(U17-CANL): length 2.3
  Top w0.203: L10.2 41.82,22.48 U17.6
Net-(U17-RXD): length 1.9
  Top w0.203: U17.4 R143.2
Net-(U17-STB): length 3
  Top w0.203: R146.2 R144.2 U17.8
Net-(U17-TXD): length 1.9
  Top w0.203: U17.1 R142.2
Net-(U18-CANH): length 2.3
  Top w0.203: U18.7 30.05,22.48 L11.1
Net-(U18-CANL): length 2.3
  Top w0.203: U18.6 28.78,22.48 L11.2
Net-(U18-RXD): length 1.9
  Top w0.203: U18.4 R150.2
Net-(U18-STB): length 3
  Top w0.203: U18.8 R151.2 R153.2
Net-(U18-TXD): length 1.9
  Top w0.203: U18.1 R149.2
Net-(U19-CANH): length 2.3
  Top w0.203: U19.7 17.02,22.48 L12.1
Net-(U19-CANL): length 2.3
  Top w0.203: L12.2 15.75,22.48 U19.6
Net-(U19-RXD): length 1.9
  Top w0.203: U19.4 R157.2
Net-(U19-STB): length 3
  Top w0.203: R160.2 R158.2 U19.8
Net-(U19-TXD): length 1.9
  Top w0.203: U19.1 R156.2
Net-(U20-COL): length 1.2
  Top w0.102: U20.27 36.11,82.33 COL.1
Net-(U20-CRS_DV): length 2.4
  Top w0.102: R57.1 35.6,81.53 U20.26
Net-(U20-DVDD1V2): length 3.3
  Top w0.254: C123.2 36.09,80.44 C122.2 37.1,80.45 U20.29
Net-(U20-EN_DLDO): length 1.3
  Top w0.203: v1(37.61,81.6) 37.6,81.6 U20.30
  Bottom w0.203: v1(37.61,81.6) R47.2
Net-(U20-RBIAS): length 2.2
  Top w0.254: U20.1 41.09,83.02 R167.2
Net-(U20-REFCLK_SEL): length 3.2
  Top w0.203: C233.1 C18.2 41.21,83.52 U20.2
Net-(U20-XI): length 2.8
  Top w0.102: U20.31 R165.1
Net-(U20-XO): length 3
  Top w0.102: U20.32 40.8,82.34 R166.2
Net-(U21-COL): length 2.7
  Top w0.102: U21.27 36.1,62.9 COL#3.1
Net-(U21-CRS_DV): length 3.1
  Top w0.102: R58.1 34.3,62.59 35.14,62.59 35.6,63.06 U21.26
Net-(U21-DVDD1V2): length 3.3
  Top w0.254: U21.29 37.1,61.6 C136.2 36.09,61.59 C137.2
Net-(U21-EN_DLDO): length 1.4
  Top w0.254: U21.30 37.6,62.78 v1(37.63,62.75)
  Bottom w0.254: v1(37.63,62.75) 37.63,62.27 R52.2
Net-(U21-RBIAS): length 2.2
  Top w0.254: R177.2 41.07,64.18 U21.1
Net-(U21-REFCLK_SEL): length 3.2
  Top w0.203: 41.42,65.83 41.42,64.85 41.24,64.68 U21.2
Net-(U21-XI): length 2.8
  Top w0.102: U21.31 R175.1
Net-(U21-XO): length 3
  Top w0.102: U21.32 40.76,63.49 R176.2
Net-(U22-COL): length 1.1
  Top w0.102: COL#2.1 36.03,44.57 U22.27
Net-(U22-CRS_DV): length 2.6
  Top w0.102: R60.1 34.56,43.02 35.6,44.06 U22.26
Net-(U22-DVDD1V2): length 3.3
  Top w0.254: C151.2 36.09,42.75 C150.2 37.1,42.76 U22.29
Net-(U22-EN_DLDO): length 1.3
  Top w0.152: v1(37.61,43.93) 37.6,43.94 U22.30
  Bottom w0.152: v1(37.61,43.93) 37.61,43.37 R56.2
Net-(U22-RBIAS): length 2.3
  Top w0.203: U22.1 41.07,45.33 R187.2
Net-(U22-REFCLK_SEL): length 3.2
  Top w0.203: C235.1 C67.2 41.26,45.83 U22.2
Net-(U22-XI): length 2.8
  Top w0.102: U22.31 R185.1
Net-(U22-XO): length 3.1
  Top w0.102: R186.2 40.75,44.64 U22.32
Net-(U23-CLKOUT): length 2.7
  Top w0.102: v1(114.11,89.63) 114.11,89.62 U23.35
  Bottom w0.102: v1(114.11,89.63) 114.11,89.42 COUT#2.1
Net-(U23-RBIAS): length 1.5
  Top w0.152: R197.2 112.51,88.81 U23.39
Net-(U23-XI): length 9.6
  Top w0.102: C163.1 116.02,92.88 115.04,93.86 X3.1 114.86,93.86 113.93,92.93 v1(113.93,91.33) 113.93,90.41 113.71,90.19 U23.36
  Bottom w0.102: R193.1 114.42,91.81 v1(113.93,91.33)
Net-(U23-XO): length 7.1
  Top w0.102: U23.37 v1(113.31,91.3) 113.31,91.61 X3.3 112.52,91.92 C164.1
  Bottom w0.102: v1(113.31,91.3) 113.4,91.39 R193.2
Net-(U24-EN): length 1.4
  Top w0.254: U24.3 104.22,89.74 R202.2
Net-(U24-OUT): length 5.3
  Top w0.3: C171.1 108.13,91.87 U24.5 ; C175.1 108.58,91.58 108.44,91.45 FB9.2
Net-(U25-MCT1): length 6.6
  Top w0.508: U25.24 142.23,91.87
  Bottom w0.508: v1(142.23,91.86) 144.76,89.33 R213.2
Net-(U25-MCT2): length 4.9
  Top w0.508: U25.21 142.21,88.06
  Bottom w0.508: R212.2 144.29,86.02 v1(142.23,88.08)
Net-(U25-MCT3): length 4
  Top w0.508: U25.18 142.25,84.25
  Bottom w0.508: v1(142.26,84.24) R211.2
Net-(U25-MCT4): length 4.9
  Top w0.508: U25.15 142.25,80.44
  Bottom w0.508: v1(142.26,80.43) 144.29,82.46 R210.2
Net-(U25-TCT1): length 2.1
  Top w0.381: C168.1 U25.1
Net-(U25-TCT2): length 2.1
  Top w0.381: C169.1 U25.4
Net-(U25-TCT4): length 2.1
  Top w0.381: C173.1 U25.10
Net-(U25-TDT3): length 2.1
  Top w0.381: C172.1 U25.7
Net-(U26-CLKOUT): length 2.7
  Top w0.102: v1(114.11,70.63) 114.11,70.63 U26.35
  Bottom w0.102: v1(114.11,70.63) 114.11,70.43 COUT#3.1
Net-(U26-RBIAS): length 1.5
  Top w0.152: R218.2 112.51,69.81 U26.39
Net-(U26-XI): length 9.6
  Top w0.102: C186.1 116.02,73.88 115.04,74.86 X4.1 114.86,74.86 113.93,73.93 v1(113.93,72.33) 113.93,71.42 113.71,71.19 U26.36
  Bottom w0.102: v1(113.93,72.33) 114.42,72.82 R214.1
Net-(U26-XO): length 7.1
  Top w0.102: C187.1 112.52,72.92 X4.3 113.31,72.62 v1(113.31,72.31) U26.37
  Bottom w0.102: R214.2 113.4,72.4 v1(113.31,72.31)
Net-(U27-EN): length 1.4
  Top w0.254: U27.3 104.22,70.74 R223.2
Net-(U27-OUT): length 5.3
  Top w0.3: C198.1 108.58,72.59 108.44,72.45 FB11.2 ; U27.5 108.13,72.88 C194.1
Net-(U28-MCT1): length 6.6
  Top w0.508: U28.24 142.23,72.87
  Bottom w0.508: v1(142.23,72.87) 144.76,70.34 R234.2
Net-(U28-MCT2): length 4.9
  Top w0.508: U28.21 142.21,69.06
  Bottom w0.508: v1(142.23,69.08) 144.29,67.02 R233.2
Net-(U28-MCT3): length 4
  Top w0.508: U28.18 142.25,65.25
  Bottom w0.508: v1(142.26,65.25) R232.2
Net-(U28-MCT4): length 4.9
  Top w0.508: U28.15 142.25,61.44
  Bottom w0.508: v1(142.26,61.44) 144.29,63.47 R231.2
Net-(U28-TCT1): length 2.1
  Top w0.381: C191.1 U28.1
Net-(U28-TCT2): length 2.1
  Top w0.381: C192.1 U28.4
Net-(U28-TCT4): length 2.1
  Top w0.381: C196.1 U28.10
Net-(U28-TDT3): length 2.1
  Top w0.381: C195.1 U28.7
Net-(U29-CLKOUT): length 2.7
  Top w0.102: U29.35 114.11,51.63 v1(114.11,51.63)
  Bottom w0.102: COUT.1 114.11,51.43 v1(114.11,51.63)
Net-(U29-RBIAS): length 1.5
  Top w0.152: U29.39 112.51,50.81 R239.2
Net-(U29-XI): length 9.6
  Top w0.102: C209.1 116.02,54.88 115.04,55.86 X5.1 114.86,55.86 113.93,54.93 v1(113.93,53.33) 113.93,52.42 113.71,52.19 U29.36
  Bottom w0.102: v1(113.93,53.33) 114.42,53.82 R235.1
Net-(U29-XO): length 7.1
  Top w0.102: C210.1 112.52,53.92 X5.3 113.31,53.62 v1(113.31,53.31) U29.37
  Bottom w0.102: R235.2 113.4,53.4 v1(113.31,53.31)
Net-(U30-EN): length 1.1
  Top w0.254: R244.2 104.22,51.99 U30.3
Net-(U30-OUT): length 5.3
  Top w0.3: C221.1 108.58,53.59 108.44,53.45 FB13.2 ; C217.1 108.13,53.88 U30.5
Net-(U31-MCT1): length 6.6
  Top w0.508: U31.24 142.23,53.87
  Bottom w0.508: v1(142.23,53.87) 144.76,51.34 R255.2
Net-(U31-MCT2): length 4.9
  Top w0.508: U31.21 142.21,50.06
  Bottom w0.508: v1(142.23,50.08) 144.29,48.02 R254.2
Net-(U31-MCT3): length 4
  Top w0.508: U31.18 142.25,46.25
  Bottom w0.508: v1(142.26,46.25) R253.2
Net-(U31-MCT4): length 4.9
  Top w0.508: U31.15 142.25,42.44
  Bottom w0.508: R252.2 144.29,44.47 v1(142.26,42.44)
Net-(U31-TCT1): length 2.1
  Top w0.381: C214.1 U31.1
Net-(U31-TCT2): length 2.1
  Top w0.381: C215.1 U31.4
Net-(U31-TCT4): length 2.1
  Top w0.381: C219.1 U31.10
Net-(U31-TDT3): length 2.1
  Top w0.381: C218.1 U31.7
Net-(U32-EN): length 1.6
  Top w0.3: R256.2 149.39,18.81 U32.4
Net-(U32-IADJ): length 1.8
  Top w0.3: U32.3 145.07,17.29 R257.2

## Copper pours and planes (outline as drawn; the poured copper is in the pictures)
+3.3V on Top: 124.76,25.53 124.71,31.15 123.71,31.15 123.15,30.22 121.57,30.22 115.84,30.27 115.81,28.16 118.07,28.16 118.23,26.89 123.74,26.93 123.74,25.53
+3.3V on Top: 123.54,30.7 123.54,31.97 124.93,31.97 124.93,34 129.25,34 129.25,29.17 124.68,29.17
+5V on Top: 139.95,19.44 139.95,27.33 140.93,31.97 140.93,32.73 137.63,32.73 137.63,35.78 15.33,35.78 15.33,28.29 16.09,28.29 16.09,34.38 134.97,34.38 134.97,26 132.93,26 132.8,29.22 132.26,29.22 132.3,26 132.3,23.21 137.38,23.21 137.45,19.44
+5V on POWER3: 157.42,107.41 157.42,102.5 147.67,102.5 147.69,42.38 139.79,34.46 134.58,34.46 134.58,36.62 137.4,36.62 143.17,42.38 143.17,102.33 146.4,106.59
/HPM6E00 FULL PORT MAINENTRY/10-USB-BOOT-KEY-LED/VBUS_DEBUG on Top: 153.05,17.2 153.05,16.6 150.66,16.6 150.66,17.19
/HPM6E00 FULL PORT MAINENTRY/10-USB-BOOT-KEY-LED/VBUS_DEBUG on Top: 153.05,11.8 151.75,11.8 149.34,11.8 149.33,12.82 149.33,13.99 150.24,13.99 151.75,12.4 153.05,12.4
/HPM6E00 FULL PORT MAINENTRY/10-USB-BOOT-KEY-LED/VBUS_DEBUG on Top, Bottom: 150.68,20.03 148.91,20.03 148.91,21.55 150.69,21.55
/HPM6E00 FULL PORT MAINENTRY/10-USB-BOOT-KEY-LED/VBUS_DEBUG on Bottom: 151.96,11.8 150.66,11.8 150.66,21.55 151.96,21.55
GND on Top, Bottom, GND2, POWER3: -0.04,-0.04 159.96,-0.04 159.96,109.96 -0.04,109.96
GNDA on Bottom: 72.86,56.35 72.86,51.02 71.08,48 63.64,48 63.64,50.28 64.73,51.37 67.3,51.37 67.3,48.94 69.08,48.93 70.52,48.98 71.75,51.17 72.28,52.14 72.28,56.35
VBUS on Top: 143.74,32.47 143.75,31.1 142.69,31.1 142.73,32.47
VBUS on Bottom: 142.73,32.47 143.74,32.47 143.95,26.43 141.45,26.43
VCC on Top: 115.28,27.88 117.8,27.85 117.8,25.59 115.28,25.62
VCC on Top: 111.98,34 124.55,34 124.55,32.48 111.98,32.48
VCC on Bottom: 111.98,34 115.28,34 115.28,28.16 118.07,28.16 118.07,25.62 115.28,25.62 115.28,14.19 111.98,14.19
VCC on Bottom: 84.88,54.99 84.88,53.5 74.92,53.53 74.87,54.4 75.71,55.23 77.26,55.23
VCC on POWER3: 115.28,14.19 23.59,14.19 23.59,18.51 115.28,18.51
VDD_SOC on Top: 62.64,64.28 62.64,63.48 61.53,63.03 60.82,63.03 60.82,64.28
VDD_SOC on Bottom: 75.69,55.76 75.68,59.63 73.7,59.63 73.32,59.96 63.77,59.96 62.63,64.28 60.54,64.28 60.54,58.51 68.75,58.51 69.33,58.36 73.29,58.36 73.31,55.96
DCDC_GND on Top: 64.35,67.02 65.55,67.58 66.59,67.58 68.21,66.64 68.44,65.19 68.57,63.01 68.06,62.5 67.48,62.65 66.94,63.19 66.64,63.46 64.84,63.46 64.84,65.95 64.35,66.46
DCDC_IN on Top: 68.82,68.11 69.79,68.11 69.79,64.66 69.92,63.34 68.67,63.34 68.82,64.66
DCDC_SNS on Top: 64.07,61.66 64.15,63.72 64.15,65.78 63.92,66.82 63.26,66.82 62.14,65.93 62.14,65.14 62.83,64.43 62.83,61.66
Net-(C57-Pad1) on Top: 129.23,21.73 129.23,24.37 128.74,25.29 128.74,26.91 125.62,26.91 125.62,21.73
Net-(U4-LX) on Top: 130.77,25.64 131.99,25.64 131.99,21.88 130.77,21.88
Net-(U11-IN) on Top: 153.05,32.08 153.05,31.48 150.66,31.49 150.66,32.07
Net-(U11-IN) on Top: 153.05,26.68 148.47,26.62 148.48,27.27 153.05,27.28
Net-(U11-IN) on Bottom: 151.96,26.69 150.66,26.69 150.66,32.07 151.96,32.07

## Text on the board
B.Silkscreen: TX- | TX+ | RX+ | RX- | ** | 5V
F.Silkscreen: CAN_N | GND | CAN_P | EEPROM | P1 ACT | P2 ACT | P3 ACT | 1000M | 100M | 10M | PZ05 | PZ02 | PZ04 | PZ01 | PZ03 | PZ00 | NC | PY03 | PY02 | PY04 | PY05 | PY06 | PY07 | 3.3V | PF31 | PY01 | PF24 | PY00 | PF19 | PF17 | PF16 | PF23 | PF22 | 5V | PD09.GPO41 | PD08.GPO40 | PD07.GPO39 | PD06.GPO38 | PD05.GPO37 | PD04.GPO36 | PD03.GPO35 | PD02.GPO34 | PD31.CTR8 ACT2 | PC30.CTR7 ACT1 | PC29.CTR6 ACT0 | PB25.CTR5 ERR | PB24.CTR4 RUN | PD28.GPI03 | PD27.GPI04 | PD26.GPI05 | PD25.GPI06 | PD24.GPI07 | PD23.GPI08 | PD11.GPI20 | PD10.GPI21 | 1 | 0 | TSN ALM | TSN RUN | 20240912 | 3V3 | WKUP | RESET | BOOT | U-UART | USB | ** | HPM6E00FULLPORTRevB | CAN7 | CAN6 | CAN5 | CAN4 | CAN3 | CAN2 | CAN1 | CAN0 | CORE | POWER | P0 | P1 | P2 | JTAG | 1.47 TFTLCD | P3
